# KiCad board AWS PROJECT.kicad_pcb
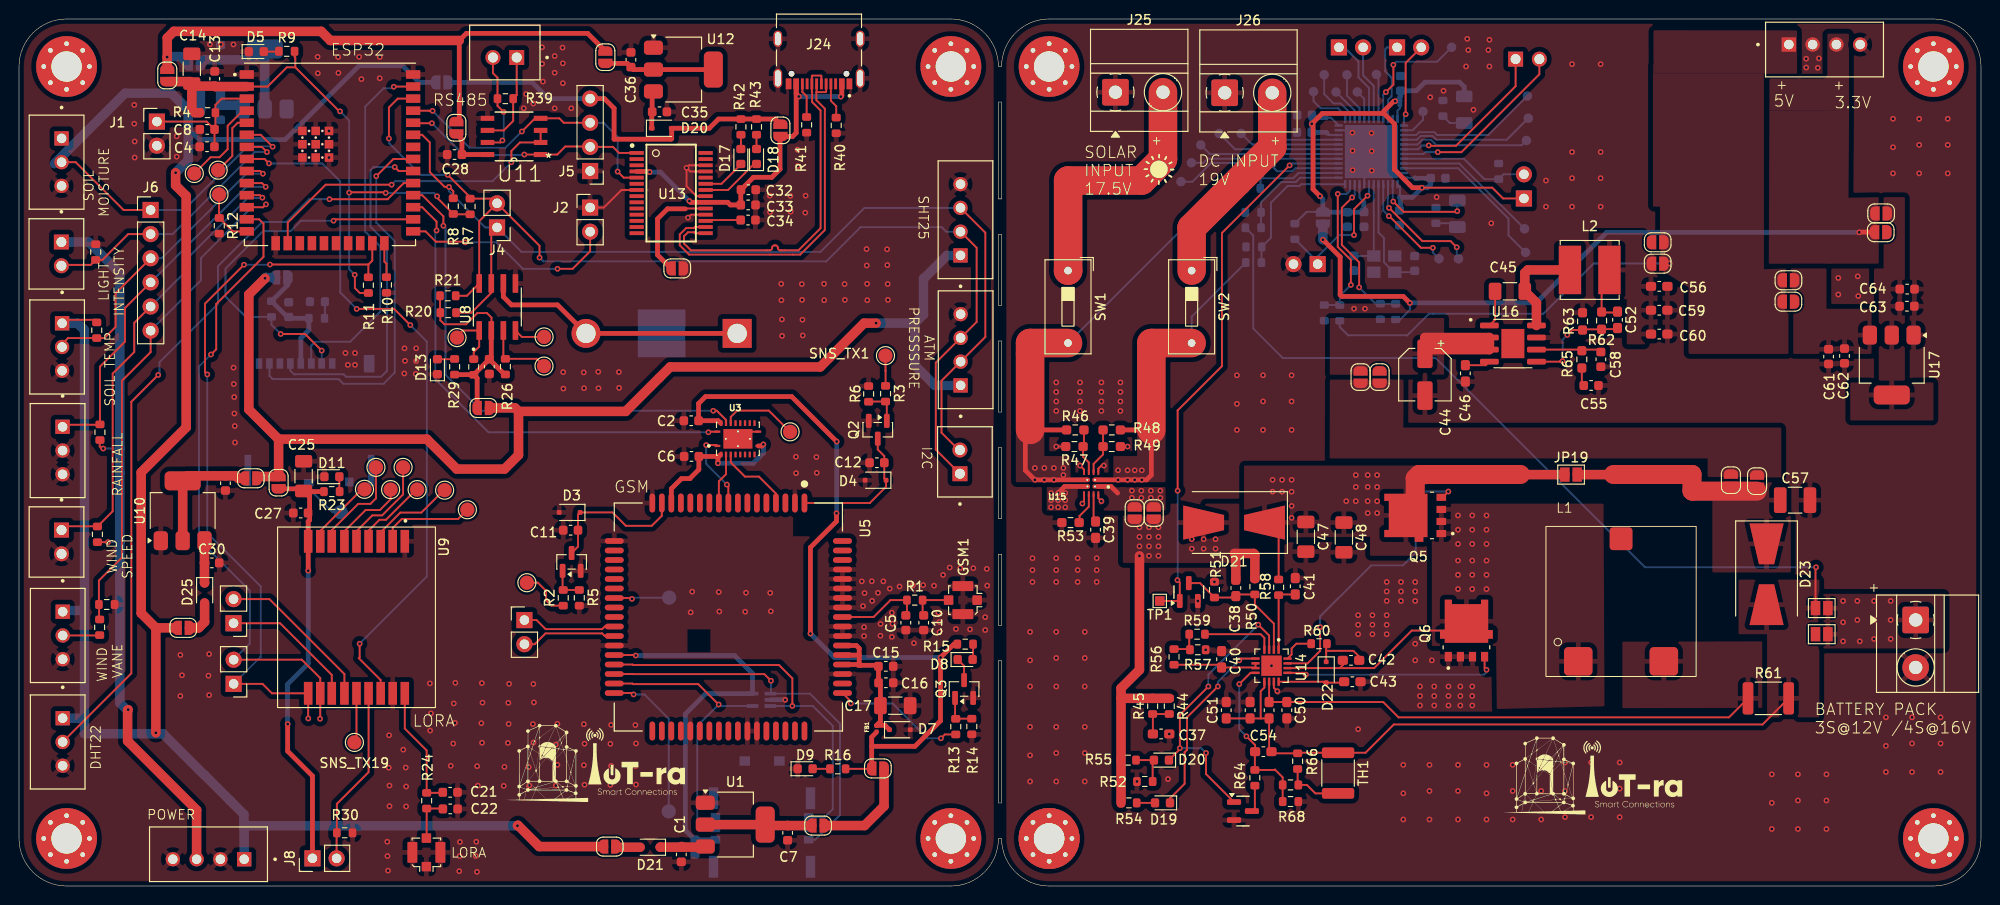
[diagram p0: board, top side]
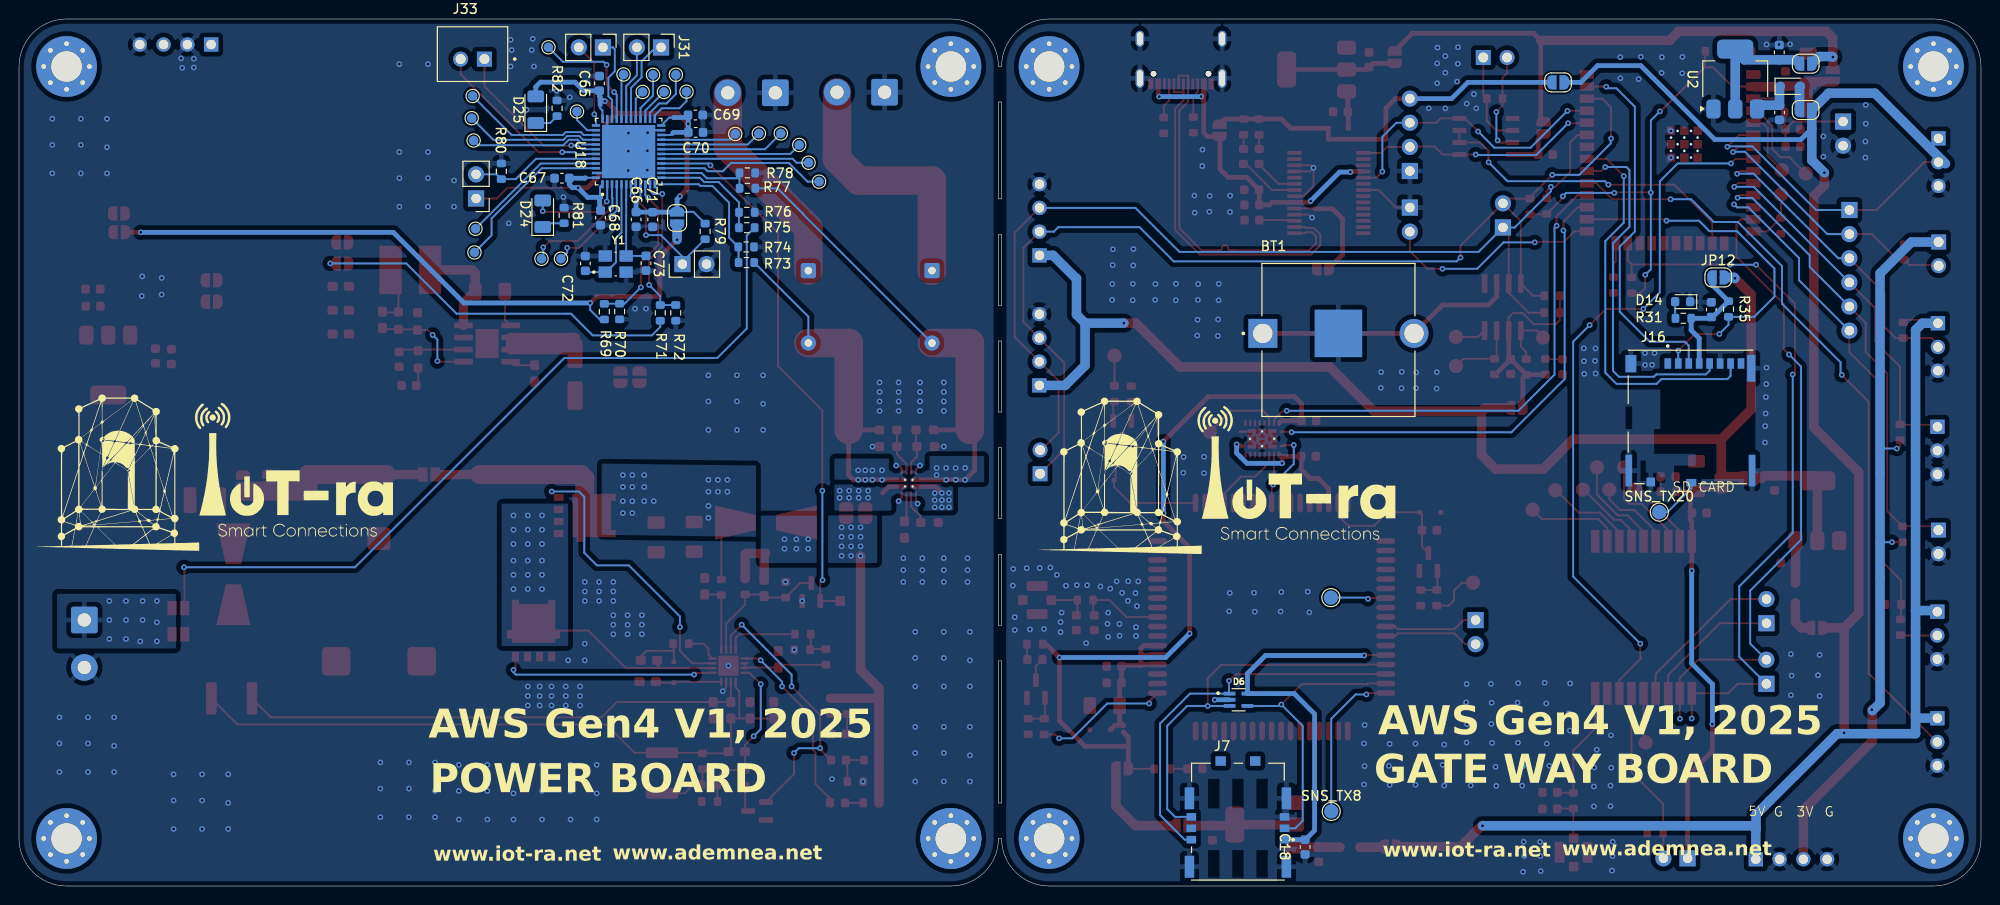
[diagram p1: board, bottom side, seen from below]

Outline 206.33 x 91.25 mm; copper layers: Top, Bottom. Coordinates in mm from the lower left corner of the outline.
Outline path: 0,86.25 0,5 arc(1.46,1.46) 5,0 98,0 arc(101.54,1.46) 103,5 103.33,5 arc(104.79,1.46) 108.33,0 201.33,0 arc(204.87,1.46) 206.33,5 206.33,86.25 arc(204.87,89.79) 201.33,91.25 108.33,91.25 arc(104.79,89.79) 103.33,86.25 103,86.25 arc(101.54,89.79) 98,91.25 5,91.25 arc(1.46,89.79) 0,86.25 ; 103,82.51 103,72.32 103.33,72.32 103.33,82.51 103,82.51 ; 103,23.7 103.33,23.7 103.33,8.74 103,8.74 103,23.7 ; 103,57.36 103,49.88 103.33,49.88 103.33,57.36 103,57.36 ; 103,68.58 103,61.1 103.33,61.1 103.33,68.58 103,68.58 ; 103,34.92 103,27.44 103.33,27.44 103.33,34.92 103,34.92 ; 103,46.14 103,38.66 103.33,38.66 103.33,46.14 103,46.14

## Placement (name value [footprint] x y rotation side)
BT1  BHX1-1225-PC  [BAT_BHX1-1225-PC]  67.58 58.16 180 bottom
C1  10uF  [C_0603_1608Metric]  69.65 3.32 270 top
C2  0.1uF  [C_0603_1608Metric]  70.69 48.97 180 top
C3  10uF  [C_0603_1608Metric]  21.19 81.41 270 bottom
C4  0.1uF  [C_0603_1608Metric]  19.77 77.81 0 top
C5  Cm  [C_0603_1608Metric]  93.26 27.71 270 top  (not fitted)
C6  0.1uF  [C_0603_1608Metric]  70.72 45.21 180 top
C7  1uF  [C_0603_1608Metric]  80.83 5.59 270 top
C8  1uF  [C_0603_1608Metric]  19.78 79.63 180 top
C9  1uF  [C_0603_1608Metric]  21.21 87.73 90 bottom
C10  Cm  [C_0603_1608Metric]  95.14 27.71 270 top  (not fitted)
C11  0.1uF  [C_0603_1608Metric]  58.01 37.45 180 top
C12  0.1uF  [C_0603_1608Metric]  90.22 44.55 180 top
C13  0.1uF  [C_0603_1608Metric]  20.58 84.96 90 top
C14  22uF  [C_1206_3216Metric_Pad1.33x1.80mm_HandSolder]  18.17 86.02 90 top
C15  0.1uF  [C_0603_1608Metric]  91.16 23.12 0 top
C16  1uF  [C_0603_1608Metric]  91.16 21.39 0 top
C17  100uF  [C_1206_3216Metric_Pad1.33x1.80mm_HandSolder]  92.15 18.98 0 top
C18  0.1uF  [C_0603_1608Metric]  71.08 4.1 270 bottom
C21  Cm  [C_0603_1608Metric]  45.34 9.86 0 top  (not fitted)
C22  Cm  [C_0603_1608Metric]  45.35 8.11 0 top  (not fitted)
C25  10uF  [C_1206_3216Metric_Pad1.33x1.80mm_HandSolder]  29.93 43.14 90 top
C26  0.1uF  [C_0603_1608Metric]  49.46 54.67 270 top
C27  0.1uF  [C_0603_1608Metric]  29.62 39.26 180 top
C28  0.1uF  [C_0603_1608Metric]  45.8 76.98 180 top
C29  1uF  [C_0603_1608Metric]  28.36 60.66 90 bottom
C30  10uF  [C_0603_1608Metric]  20.28 34.01 0 top
C31  1uF  [C_0603_1608Metric]  21.71 42.39 270 top
C32  4.7uF  [C_0603_1608Metric]  76.7 73.28 0 top
C33  0.1uF  [C_0603_1608Metric]  76.68 71.68 0 top
C34  0.1uF  [C_0603_1608Metric]  76.67 70.09 0 top
C35  10uF  [C_0603_1608Metric]  67.36 81.48 0 top
C36  1uF  [C_0603_1608Metric]  64.35 86.96 90 top
C37  2.2uF  [C_0603_1608Metric_Pad1.08x0.95mm_HandSolder]  120.11 16 0 top
C38  22pF  [C_0603_1608Metric_Pad1.08x0.95mm_HandSolder]  127.97 31.37 270 top
C39  0.01uF  [C_0603_1608Metric_Pad1.08x0.95mm_HandSolder]  113.22 37.5 270 top
C40  1uF  [C_0603_1608Metric_Pad1.08x0.95mm_HandSolder]  126.47 23.86 90 top
C41  1uF  [C_0603_1608Metric_Pad1.08x0.95mm_HandSolder]  134.22 31.55 90 top
C42  0.1uf  [C_0603_1608Metric_Pad1.08x0.95mm_HandSolder]  140.08 23.75 180 top
C43  1uF  [C_0603_1608Metric_Pad1.08x0.95mm_HandSolder]  140.22 21.5 0 top
C44  10uF  [CP_Elec_5x5.8]  147.86 53.81 270 top
C45  100nF  [C_1206_3216Metric_Pad1.33x1.80mm_HandSolder]  156.79 62.59 180 top
C46  10nF  [C_0603_1608Metric_Pad1.08x0.95mm_HandSolder]  152.11 53.95 270 top
C47  10uF  [C_1206_3216Metric_Pad1.33x1.80mm_HandSolder]  135.33 36.75 270 top
C48  10uF  [C_1206_3216Metric_Pad1.33x1.80mm_HandSolder]  139.33 36.69 270 top
C49  2.2uF  [C_0603_1608Metric_Pad1.08x0.95mm_HandSolder]  131.47 18.5 270 top
C50  0.1uF  [C_0603_1608Metric_Pad1.08x0.95mm_HandSolder]  133.33 18.5 270 top
C51  10uF  [C_0603_1608Metric_Pad1.08x0.95mm_HandSolder]  126.96 18.5 90 top
C52  OPEN  [C_0603_1608Metric_Pad1.08x0.95mm_HandSolder]  168.11 59.59 270 top  (not fitted)
C53  1uF  [C_0603_1608Metric_Pad1.08x0.95mm_HandSolder]  129.47 18.5 90 top
C54  22pF  [C_0603_1608Metric_Pad1.08x0.95mm_HandSolder]  130.86 14.14 180 top
C55  2.7nF  [C_0603_1608Metric]  165.33 52.68 0 top
C56  22uF  [C_0603_1608Metric_Pad1.08x0.95mm_HandSolder]  172.49 63.11 0 top
C57  10uF  [C_1210_3225Metric_Pad1.33x2.70mm_HandSolder]  186.78 40.61 0 top
C58  33pF  [C_0603_1608Metric]  166.36 55.43 270 top
C59  22uF  [C_0603_1608Metric_Pad1.08x0.95mm_HandSolder]  172.49 60.6 0 top
C60  22uF  [C_0603_1608Metric_Pad1.08x0.95mm_HandSolder]  172.49 58.09 0 top
C61  10uF  [C_0603_1608Metric]  190.31 55.72 270 top
C62  10uF  [C_0603_1608Metric]  191.98 55.79 270 top
C63  1uF  [C_0603_1608Metric]  198.55 61.02 0 top
C64  1uF  [C_0603_1608Metric]  198.57 62.82 0 top
C65  0.1uF  [C_0603_1608Metric]  145.29 84.47 90 bottom
C66  10nF  [C_0603_1608Metric]  141.44 70.15 270 bottom
C67  0.1uF  [C_0603_1608Metric]  149.24 74.49 0 bottom
C68  4.7uF  [C_0603_1608Metric]  145.18 70.33 270 bottom
C69  0.1uF  [C_0603_1608Metric]  135.2 81.14 180 bottom
C70  0.1uF  [C_0603_1608Metric]  135.17 79.32 180 bottom
C71  4.7uF  [C_0603_1608Metric]  139.7 70.14 270 bottom
C72  22pF  [C_0603_1608Metric]  146.77 65.52 270 bottom
C73  22pF  [C_0603_1608Metric]  140.39 65.55 90 bottom
D3  PESDHC3D3V3U  [D_SOD-323F]  57.91 39.32 180 top
D4  PESDHC3D3V3U  [D_SOD-323F]  90.08 42.71 180 top
D5  NET_LED  [D_0603_1608Metric]  24.95 87.82 0 top
D6  ESDA6V1W5  [SOT65P210X110-5N]  78.08 19.6 180 bottom
D7  PESDHC3D3V3U  [D_SOD-323F]  92.63 16.45 0 top
D8  NET_LED  [D_0603_1608Metric]  99.5 23.83 0 top
D9  NET_LED  [D_0603_1608Metric]  82.67 12.34 0 top
D11  NET_LED  [D_0603_1608Metric]  32.9 43.08 0 top
D13  NET_LED  [D_0603_1608Metric]  44 54.66 90 top
D14  NET_LED  [D_0603_1608Metric]  31.38 61.5 0 bottom
D17  NET_LED  [D_0603_1608Metric]  75.91 76.78 90 top
D18  NET_LED  [D_0603_1608Metric]  77.56 76.78 90 top
D19  NET_LED  [D_0603_1608Metric]  120.26 8.75 180 top
D20  1N5819WS  [D_SOD-323]  67.59 79.75 0 top
D20#2  NET_LED  [D_0603_1608Metric]  120.14 13.25 180 top
D21  1N5819WS  [D_SOD-323]  66.38 4.08 180 top
D21#2  B540C-13-F  [D_SMB-SMC_Universal_Handsoldering]  127.78 38.25 180 top
D22  PESDHC3D3V3U  [D_SOD-323F]  137.47 22.5 270 top
D23  B540C-13-F  [D_SMB-SMC_Universal_Handsoldering]  183.78 32.81 270 top
D24  1N5819WS  [D_SOD-323]  20.05 84.17 180 bottom
D24#2  green  [LED_1206_3216Metric]  151.26 70.75 90 bottom
D25  1N5819WS  [D_SOD-323]  19.52 30.85 270 top
D25#2  red  [LED_1206_3216Metric]  151.99 81.7 90 bottom
FB1  FerriteBead_Small  [BEADC0603X33N]  90.18 16.55 270 top
GSM1  U.FL-R-SMT(10)  [U.FL_Molex_MCRF_73412-0110_Vertical]  99.26 30.09 270 top
GSM2  U.FL-R-SMT(10)  [U.FL_Molex_MCRF_73412-0110_Vertical]  42.84 3.54 180 top
J1  Conn_01x02_Pin  [PinHeader_1x02_P2.54mm_Vertical]  14.5 80.45 0 top
J2  Conn_01x02_Pin  [PinHeader_1x02_P2.54mm_Vertical]  60.06 71.41 0 top
J3  Conn_01x02_Pin  [PinHeader_1x02_P2.54mm_Vertical]  53.15 27.99 0 top
J4  Conn_01x02_Pin  [PinHeader_1x02_P2.54mm_Vertical]  50.27 69.31 180 top
J5  Conn_01x04_Pin  [PinHeader_1x04_P2.54mm_Vertical]  60.06 75.25 180 top
J6  Conn_01x06_Pin  [PinHeader_1x06_P2.54mm_Vertical]  13.84 71.15 0 top
J7  104224-0820  [MOLEX_104224-0820]  78.14 0.53 180 bottom
J8  Conn_01x02_Pin  [PinHeader_1x02_P2.54mm_Vertical]  30.86 2.91 90 top
J9  Conn_01x02_Pin  [PinHeader_1x02_P2.54mm_Vertical]  22.56 27.66 180 top
J10  Conn_01x02_Pin  [PinHeader_1x02_P2.54mm_Vertical]  22.57 21.28 180 top
J11  B4B-XH-A_LF__SN_  [JST_B4B-XH-A_LF__SN_]  99.55 56.44 270 top
J12  B3B-XH-A_LF__SN_  [JST_B3B-XH-A_LF__SN_]  4.05 45.83 90 top
J13  B2B-XH-A_LF__SN_  [JST_B2B-XH-A_LF__SN_]  3.95 36.21 90 top
J14  B2B-XH-A_LF__SN_  [JST_B2B-XH-A_LF__SN_]  3.93 66.53 90 top
J15  B4B-XH-A_LF__SN_  [JST_B4B-XH-A_LF__SN_]  19.93 3.34 0 top
J16  503398-1892  [MOLEX_503398-1892]  30.55 49.36 180 bottom
J17  B4B-XH-A_LF__SN_  [JST_B4B-XH-A_LF__SN_]  99.54 70.12 270 top
J18  B3B-XH-A_LF__SN_  [JST_B3B-XH-A_LF__SN_]  4.07 26.37 90 top
J19  B3B-XH-A_LF__SN_  [JST_B3B-XH-A_LF__SN_]  3.95 76.18 90 top
J20  B3B-XH-A_LF__SN_  [JST_B3B-XH-A_LF__SN_]  4 56.73 90 top
J21  B2B-XH-A_LF__SN_  [JST_B2B-XH-A_LF__SN_]  51.09 87.72 0 top
J22  B3B-XH-A_LF__SN_  [JST_B3B-XH-A_LF__SN_]  4.06 15.16 90 top
J23  B2B-XH-A_LF__SN_  [JST_B2B-XH-A_LF__SN_]  99.48 44.64 270 top
J24  TYPE-C-31-M-12  [HRO_TYPE-C-31-M-12]  84.13 89.17 180 top
J25  Screw_Terminal_01x02  [TerminalBlock_MetzConnect_Type011_RT05502HBWC_1x02_P5.00mm_Horizontal]  115.31 83.55 0 top
J26  Screw_Terminal_01x02  [TerminalBlock_MetzConnect_Type011_RT05502HBWC_1x02_P5.00mm_Horizontal]  126.8 83.48 0 top
J27  Screw_Terminal_01x02  [TerminalBlock_MetzConnect_Type011_RT05502HBWC_1x02_P5.00mm_Horizontal]  199.46 28 270 top
J28  B4B-XH-A_LF__SN_  [JST_B4B-XH-A_LF__SN_]  189.88 88.04 180 top
J29  Conn_01x02_Pin  [PinHeader_1x02_P2.54mm_Vertical]  136.57 65.45 90 bottom
J30  Conn_01x02_Pin  [PinHeader_1x02_P2.54mm_Vertical]  158.27 72.36 0 bottom
J31  Conn_01x02_Pin  [PinHeader_1x02_P2.54mm_Vertical]  138.81 88.26 270 bottom
J32  Conn_01x02_Pin  [PinHeader_1x02_P2.54mm_Vertical]  144.92 88.26 270 bottom
J33  B2B-XH-A_LF__SN_  [JST_B2B-XH-A_LF__SN_]  158.64 87.55 180 bottom
JP1  Jumper_2_Small_Open  [SolderJumper-2_P1.3mm_Open_RoundedPad1.0x1.5mm]  62.12 4.15 180 top
JP2  Jumper_2_Small_Open  [SolderJumper-2_P1.3mm_Open_RoundedPad1.0x1.5mm]  18.44 81.67 180 bottom
JP3  Jumper_2_Small_Open  [SolderJumper-2_P1.3mm_Open_RoundedPad1.0x1.5mm]  84.03 6.36 0 top
JP4  Jumper_2_Small_Open  [SolderJumper-2_P1.3mm_Open_RoundedPad1.0x1.5mm]  18.43 86.55 180 bottom
JP5  Jumper_2_Small_Open  [SolderJumper-2_P1.3mm_Open_RoundedPad1.0x1.5mm]  15.59 85.31 90 top
JP6  Jumper_2_Small_Open  [SolderJumper-2_P1.3mm_Open_RoundedPad1.0x1.5mm]  90.32 12.37 0 top
JP8  Jumper_2_Small_Open  [SolderJumper-2_P1.3mm_Open_RoundedPad1.0x1.5mm]  27.3 42.45 90 top
JP9  Jumper_2_Small_Open  [SolderJumper-2_P1.3mm_Open_RoundedPad1.0x1.5mm]  186.08 61.5 180 top
JP10  Jumper_2_Small_Open  [SolderJumper-2_P1.3mm_Open_RoundedPad1.0x1.5mm]  48.83 50.31 0 top
JP10#2  Jumper_2_Small_Open  [SolderJumper-2_P1.3mm_Open_RoundedPad1.0x1.5mm]  44.48 84.58 180 bottom
JP11  Jumper_2_Small_Open  [SolderJumper-2_P1.3mm_Open_RoundedPad1.0x1.5mm#2]  143.09 53.56 270 top
JP11#2  Jumper_2_Small_Open  [SolderJumper-2_P1.3mm_Open_RoundedPad1.0x1.5mm]  45.99 79.81 90 top
JP12  Jumper_2_Small_Open  [SolderJumper-2_P1.3mm_Open_RoundedPad1.0x1.5mm]  172.33 67.75 0 top
JP12#2  Jumper_2_Small_Open  [SolderJumper-2_P1.3mm_Open_RoundedPad1.0x1.5mm]  27.63 64.05 180 bottom
JP13  Jumper_2_Small_Open  [SolderJumper-2_P1.3mm_Open_RoundedPad1.0x1.5mm]  17.27 27.17 180 top
JP13#2  Jumper_2_Small_Open  [SolderJumper-2_P1.3mm_Open_RoundedPad1.0x1.5mm]  119.33 39.25 270 top
JP14  Jumper_2_Small_Open  [SolderJumper-2_P1.3mm_Open_RoundedPad1.0x1.5mm]  24.37 42.91 0 top
JP15  Jumper_2_Small_Open  [SolderJumper-2_P1.3mm_Open_RoundedPad1.0x1.5mm]  80.07 79.53 90 top
JP16  Jumper_2_Small_Open  [SolderJumper-2_P1.3mm_Open_RoundedPad1.0x1.5mm]  61.66 87.23 90 top
JP17  Jumper_2_Small_Open  [SolderJumper-2_P1.3mm_Open_RoundedPad1.0x1.5mm]  69.22 65 0 top
JP18  Jumper_2_Small_Open  [SolderJumper-2_P1.3mm_Open_RoundedPad1.0x1.5mm]  117.33 39.25 270 top
JP18#2  Jumper_2_Small_Open  [SolderJumper-2_P1.3mm_Open_RoundedPad1.0x1.5mm]  180.03 42.71 90 top
JP19  Jumper_2_Small_Open  [SolderJumper-2_P1.3mm_Open_Pad1.0x1.5mm]  189.58 26.5 0 top
JP19#2  Jumper_2_Small_Open  [SolderJumper-2_P1.3mm_Open_Pad1.0x1.5mm]  163.22 43.3 0 top
JP19#3  Jumper_2_Small_Open  [SolderJumper-2_P1.3mm_Open_RoundedPad1.0x1.5mm]  141.09 53.56 270 top
JP20  Jumper_2_Small_Open  [SolderJumper-2_P1.3mm_Open_RoundedPad1.0x1.5mm]  182.78 42.61 90 top
JP21  Jumper_2_Small_Open  [SolderJumper-2_P1.3mm_Open_RoundedPad1.0x1.5mm]  195.79 68.81 180 top
JP21#2  Jumper_2_Small_Open  [SolderJumper-2_P1.3mm_Open_Pad1.0x1.5mm]  189.58 29.25 0 top
JP22  Jumper_2_Small_Open  [SolderJumper-2_P1.3mm_Open_RoundedPad1.0x1.5mm]  172.33 65.5 0 top
JP23  Jumper_2_Small_Open  [SolderJumper-2_P1.3mm_Open_RoundedPad1.0x1.5mm]  186.08 63.75 180 top
JP24  Jumper_2_Small_Open  [SolderJumper-2_P1.3mm_Open_RoundedPad1.0x1.5mm]  195.83 70.78 180 top
JP25  Jumper_2_Small_Open  [SolderJumper-2_P1.3mm_Open_RoundedPad1.0x1.5mm]  137.13 70.3 270 bottom
L1  6.1uH  [CDEP147NP-6R1MC-95]  168.48 23.65 0 top
L2  SRN6045TA-3R3Y  [L_Bourns_SRN6045TA]  165.18 64.84 0 top
NOREF  -  [unnamed]  108.33 5 0 top
PB1  TestPoint  [TestPoint_Pad_D1.0mm]  122.2 74.13 90 bottom
PB2  TestPoint  [TestPoint_Pad_D1.0mm]  123.3 76.12 90 bottom
PB3  TestPoint  [TestPoint_Pad_D1.0mm]  140.75 83.57 90 bottom
PB4  TestPoint  [TestPoint_Pad_D1.0mm]  150.66 88.27 90 bottom
PB5  TestPoint  [TestPoint_Pad_D1.0mm]  142.76 85.41 90 bottom
PB6  TestPoint  [TestPoint_Pad_D1.0mm]  147.66 81.51 0 bottom
PB7  TestPoint  [TestPoint_Pad_D1.0mm]  124.28 77.99 90 bottom
PB8  TestPoint  [TestPoint_Pad_D1.0mm]  126.22 79.2 90 bottom
PB9  TestPoint  [TestPoint_Pad_D1.0mm]  158.63 83.14 90 bottom
PB10  TestPoint  [TestPoint_Pad_D1.0mm]  158.73 80.81 90 bottom
PB11  TestPoint  [TestPoint_Pad_D1.0mm]  158.53 78.46 90 bottom
PB12  TestPoint  [TestPoint_Pad_D1.0mm]  158.33 69.17 90 bottom
PB13  TestPoint  [TestPoint_Pad_D1.0mm]  158.44 66.68 90 bottom
PB14  TestPoint  [TestPoint_Pad_D1.0mm]  131.01 79.15 90 bottom
PB15  TestPoint  [TestPoint_Pad_D1.0mm]  136.14 83.6 90 bottom
PB16  TestPoint  [TestPoint_Pad_D1.0mm]  137.26 85.38 90 bottom
PB17  TestPoint  [TestPoint_Pad_D1.0mm]  138.51 83.57 90 bottom
PB18  TestPoint  [TestPoint_Pad_D1.0mm]  139.66 85.37 90 bottom
PB19  TestPoint  [TestPoint_Pad_D1.0mm]  151.39 66.01 90 bottom
PB20  TestPoint  [TestPoint_Pad_D1.0mm]  149.34 66.02 90 bottom
PB21  TestPoint  [TestPoint_Pad_D1.0mm]  128.53 79.2 0 bottom
Q1  MMBT3904  [SOT-23]  58.11 34.11 90 top
Q2  MMBT3904  [SOT-23]  90.31 48.02 270 top
Q3  MMBT3904  [SOT-23]  99.39 20.73 90 top
Q4  2N7002  [Q_SOT-23]  123.02 30.94 90 top
Q5  NMOS  [TRANS_NVMFS5834NLWFT1G]  146.83 39 180 top
Q6  NMOS  [TRANS_NVMFS5834NLWFT1G]  152.22 26.89 90 top
Q7  2N7002  [Q_SOT-23]  128.72 7.89 0 top
R1  0R  [R_0603_1608Metric]  94.2 30.09 0 top
R2  4.7k  [R_0603_1608Metric]  57.23 30.33 90 top
R3  4.7k  [R_0603_1608Metric]  91.13 51.81 270 top
R4  10k  [R_0603_1608Metric]  19.83 81.39 0 top
R5  4.7k  [R_0603_1608Metric]  58.92 30.33 90 top
R6  4.7k  [R_0603_1608Metric]  89.35 51.79 270 top
R7  4.7k  [R_0603_1608Metric]  47.44 71.52 270 top
R8  4.7k  [R_0603_1608Metric]  45.67 71.56 270 top
R9  1k  [R_0603_1608Metric]  28.16 87.85 0 top
R10  10k  [R_0603_1608Metric]  38.64 63.26 270 top
R11  10k  [R_0603_1608Metric]  36.74 63.24 90 top  (not fitted)
R12  10k  [R_0603_1608Metric]  21.06 69.49 270 top
R13  4.7k  [R_0603_1608Metric]  98.51 16.78 90 top
R14  4.7k  [R_0603_1608Metric]  100.2 16.78 90 top
R15  1k  [R_0603_1608Metric]  99.51 25.45 180 top
R16  1k  [R_0603_1608Metric]  86.1 12.33 0 top
R20  4.7k  [R_0603_1608Metric]  45.13 60.34 180 top
R21  4.7k  [R_0603_1608Metric]  45.1 62.12 180 top
R23  1k  [R_0603_1608Metric]  32.89 41.51 180 top
R24  0R  [R_0603_1608Metric]  42.87 8.98 270 top
R25  4.7k  [R_0603_1608Metric]  47.82 54.63 270 top
R26  4.7k  [R_0603_1608Metric]  51.15 54.66 270 top
R29  1k  [R_0603_1608Metric]  45.81 54.65 270 top
R30  10k  [R_0603_1608Metric]  34.25 5.6 180 top
R31  1k  [R_0603_1608Metric]  31.3 59.75 180 bottom
R32  4.7k  [R_0603_1608Metric]  8.51 47.76 270 top
R33  4.7k  [R_0603_1608Metric]  8.24 37.01 270 top
R34  10k  [R_0603_1608Metric]  8.06 66.72 270 top
R35  1k  [R_0603_1608Metric]  26.55 60.72 90 bottom
R36  20K  [R_0603_1608Metric]  9.23 29.63 180 top
R37  10K  [R_0603_1608Metric]  8.48 27.23 90 top
R38  4.7k  [R_0603_1608Metric]  8.17 58.49 90 top
R39  120  [R_0603_1608Metric]  51.14 82.87 0 top
R40  5.1k  [R_0603_1608Metric]  85.94 80.05 90 top
R41  5.1k  [R_0603_1608Metric]  82.83 80.11 90 top
R42  270R  [R_0603_1608Metric]  75.92 79.9 90 top
R43  270R  [R_0603_1608Metric]  77.56 79.9 90 top
R44  3.9  [R_0603_1608Metric]  120.97 18.92 90 top
R45  3.9  [R_0603_1608Metric]  119.22 18.92 90 top
R46  23.7k  [R_0603_1608Metric_Pad0.98x0.95mm_HandSolder]  111.08 48 0 top
R47  5k  [R_0603_1608Metric_Pad0.98x0.95mm_HandSolder]  110.99 46.25 180 top
R48  23.7k  [R_0603_1608Metric_Pad0.98x0.95mm_HandSolder]  114.92 48 180 top
R49  5k  [R_0603_1608Metric_Pad0.98x0.95mm_HandSolder]  114.92 46.25 0 top
R50  499K  [R_0603_1608Metric]  129.97 31.51 90 top
R51  36K  [R_0603_1608Metric]  125.72 31.19 270 top
R52  25k  [R_0603_1608Metric]  118.39 11 0 top
R53  51.1K  [R_0603_1608Metric_Pad0.98x0.95mm_HandSolder]  110.58 38.25 180 top
R54  10K  [R_0603_1608Metric]  116.72 8.75 180 top
R55  10K  [R_0603_1608Metric]  116.64 13.25 180 top
R56  5.23k  [R_0603_1608Metric]  121.47 24.11 270 top
R57  7.5k  [R_0603_1608Metric]  123.97 24.86 180 top
R58  10  [R_0603_1608Metric]  132.47 31.44 90 top
R59  100  [R_0603_1608Metric]  123.89 26.5 0 top
R60  2.2  [R_0603_1608Metric]  136.72 25.5 180 top
R61  10  [R_1812_4532Metric]  183.97 19.75 0 top
R62  5K1  [R_0603_1608Metric_Pad0.98x0.95mm_HandSolder]  166.43 59.5 270 top
R63  5K1  [R_0603_1608Metric_Pad0.98x0.95mm_HandSolder]  164.43 59.43 90 top
R64  4.22M  [R_0603_1608Metric]  129.97 11.39 90 top
R65  5K1  [R_0603_1608Metric_Pad0.98x0.95mm_HandSolder]  164.36 55.43 90 top
R66  154k  [R_0603_1608Metric]  134.47 13.14 90 top
R67  887k  [R_0603_1608Metric]  133.72 10.64 0 top
R68  162k  [R_0603_1608Metric]  133.72 8.89 180 top
R69  10K  [R_0603_1608Metric]  144.78 60.45 90 bottom
R70  20k  [R_0603_1608Metric]  143.17 60.46 270 bottom
R71  10K  [R_0603_1608Metric]  138.9 60.32 90 bottom
R72  13k  [R_0603_1608Metric]  137.27 60.32 270 bottom
R73  10K  [R_0603_1608Metric]  129.84 65.61 0 bottom
R74  1.5K  [R_0603_1608Metric]  129.86 67.26 180 bottom
R75  10K  [R_0603_1608Metric]  129.8 69.28 0 bottom
R76  2k  [R_0603_1608Metric]  129.79 70.9 180 bottom
R77  10K  [R_0603_1608Metric]  129.73 73.43 0 bottom
R78  1.2K  [R_0603_1608Metric]  129.74 75.05 180 bottom
R79  10K  [R_0603_1608Metric]  134.18 68.89 90 bottom
R80  10K  [R_0603_1608Metric]  155.61 75.22 270 bottom
R81  330  [R_0603_1608Metric]  149.01 70.57 270 bottom
R82  10K  [R_0603_1608Metric]  149.75 81.85 270 bottom
REF**  -  [MountingHole_3.2mm_M3_Pad_Via]  98 5 0 top
REF**#2  -  [MountingHole_3.2mm_M3_Pad_Via]  98 86.25 90 top
REF**#3  -  [MountingHole_3.2mm_M3_Pad_Via]  201.33 5 0 top
REF**#4  -  [MountingHole_3.2mm_M3_Pad_Via]  5 5 270 top
REF**#5  -  [MountingHole_3.2mm_M3_Pad_Via]  108.33 5 270 top
REF**#6  -  [MountingHole_3.2mm_M3_Pad_Via]  201.33 86.25 90 top
REF**#7  -  [MountingHole_3.2mm_M3_Pad_Via]  108.33 86.25 180 top
REF**#8  -  [MountingHole_3.2mm_M3_Pad_Via]  5 86.25 180 top
SNS_TX1  TestPoint  [TestPoint_Pad_D1.5mm]  91.12 55.82 0 top
SNS_TX2  TestPoint  [TestPoint_Pad_D1.5mm]  53.41 31.92 0 top
SNS_TX3  TestPoint  [TestPoint_Pad_D1.5mm]  18.43 74.99 0 top
SNS_TX4  TestPoint  [TestPoint_Pad_D1.5mm]  20.94 75.34 0 top
SNS_TX5  TestPoint  [TestPoint_Pad_D1.5mm]  81.09 47.8 0 top
SNS_TX6  TestPoint  [TestPoint_Pad_D1.5mm]  68.37 30.35 180 bottom
SNS_TX7  TestPoint  [TestPoint_Pad_D1.5mm]  21.03 72.78 0 top
SNS_TX8  TestPoint  [TestPoint_Pad_D1.5mm]  68.33 7.85 180 bottom
SNS_TX9  TestPoint  [TestPoint_Pad_D1.5mm]  55.22 57.79 0 top
SNS_TX10  TestPoint  [TestPoint_Pad_D1.5mm]  55.21 54.72 0 top
SNS_TX11  TestPoint  [TestPoint_Pad_D1.5mm]  46.06 57.72 0 top
SNS_TX12  TestPoint  [TestPoint_Pad_D1.5mm]  37.54 44.06 0 top
SNS_TX13  TestPoint  [TestPoint_Pad_D1.5mm]  36.33 41.75 0 top
SNS_TX14  TestPoint  [TestPoint_Pad_D1.5mm]  47.15 39.6 0 top
SNS_TX15  TestPoint  [TestPoint_Pad_D1.5mm]  44.76 41.66 0 top
SNS_TX16  TestPoint  [TestPoint_Pad_D1.5mm]  41.87 41.72 0 top
SNS_TX17  TestPoint  [TestPoint_Pad_D1.5mm]  40.39 44.06 0 top
SNS_TX18  TestPoint  [TestPoint_Pad_D1.5mm]  39.08 41.72 0 top
SNS_TX19  TestPoint  [TestPoint_Pad_D1.5mm]  35.27 15.11 0 top
SNS_TX20  TestPoint  [TestPoint_Pad_D1.5mm]  33.83 39.35 180 bottom
SW1  SW_SPST  [SW_DIP_SPSTx01_Slide_9.78x4.72mm_W7.62mm_P2.54mm]  110.32 64.77 270 top
SW2  SW_SPST  [SW_DIP_SPSTx01_Slide_9.78x4.72mm_W7.62mm_P2.54mm]  123.32 64.77 270 top
TH1  100k  [R_1812_4532Metric]  138.72 11.89 270 top
TP1  TestPoint  [TestPoint_Pad_1.0x1.0mm]  119.97 30 180 top
U1  AMS1117-3.3  [SOT-223-3_TabPin2]  75.32 6.46 0 top
U2  AMS1117-3.3  [SOT-223-3_TabPin2]  25.84 84.93 90 bottom
U3  TXB0108RGYR  [IC_TXB0108RGYR]  75.6 47.06 90 top
U4  ESP32-WROOM-32E__4MB_HIGH_TEMP_  [MODULE_ESP32-WROOM-32UE_M113EH6400UH3Q0_]  32.7 77 0 top
U5  SIM7000E  [SIMCON_SIM7000E]  74.6 28.31 270 top
U8  DS3231MZ_TRL  [SOIC127P600X175-8N#2]  50.3 60.94 90 top
U9  Ai-Thinker RA-08H  [RA-08H]  35.49 28.28 270 top
U10  AMS1117-3.3  [SOT-223-3_TabPin2]  17.21 39.49 90 top
U11  ST3485EBDR  [SOIC127P600X175-8N]  52.06 78.89 180 top
U12  AMS1117-3.3  [SOT-223-3_TabPin2]  69.87 85.93 0 top
U13  FT232RL-REEL  [SOP65P780X200-28N]  68.58 72.93 0 top
U14  BQ24650RVAR  [QFN50P350X350X100-17N]  131.72 23.19 270 top
U15  TPS2121RUXR  [IC_TPS2121RUXR]  112.76 42.4 180 top
U16  AP64501SP-13  [SOIC127P600X170-9N]  157.11 57.09 0 top
U17  AMS1117-3.3  [SOT-223-3_TabPin2]  196.95 54.83 270 top
U18  STM32F401CCU6  [QFN50P700X700X60-49N]  142.22 77.29 90 bottom
Y1  C3E-25.000-12-3030-X-R  [XTAL_C3E-25.000-12-3030-X-R]  143.58 65.46 180 bottom
